# Allegro board pc065c_fibv2_toplevel_28.brd (continued)
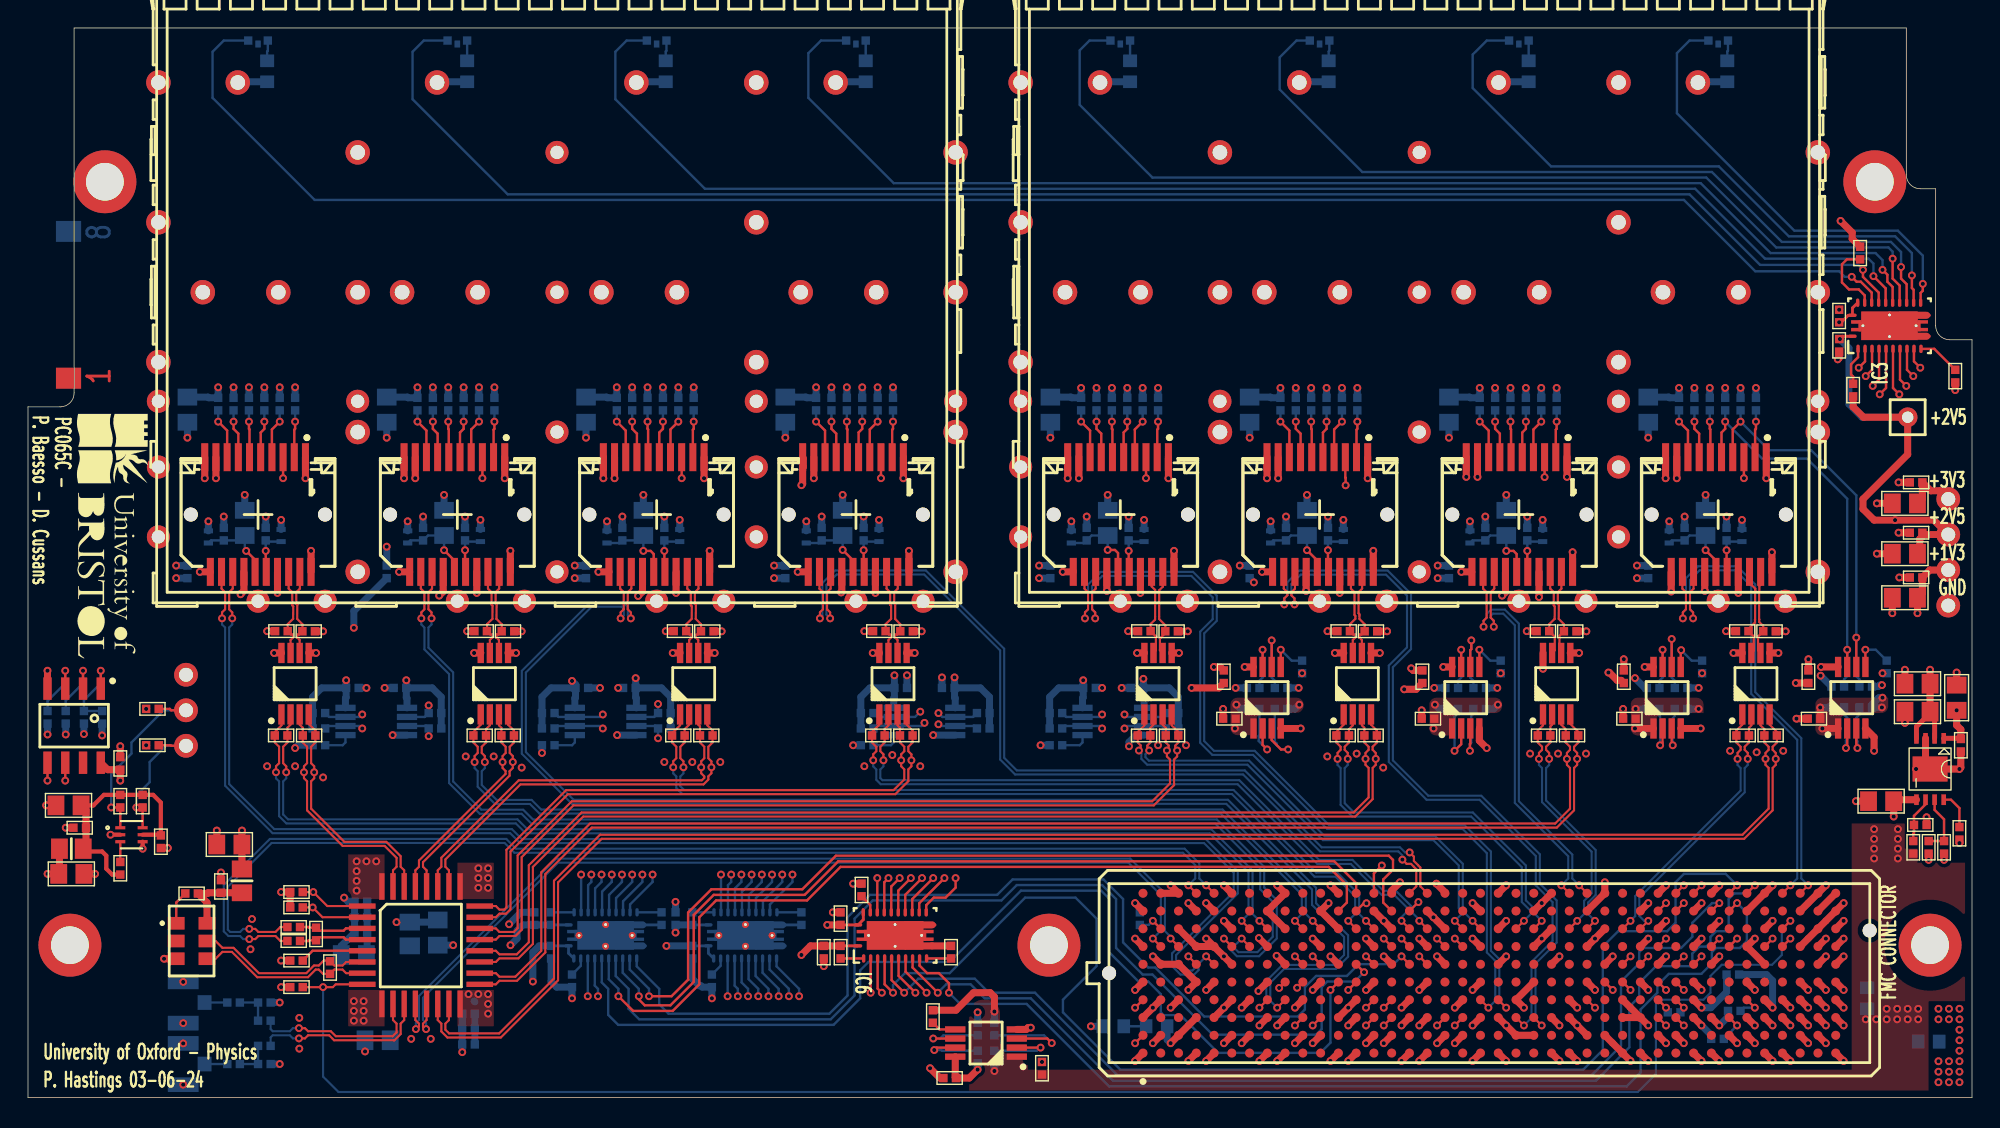
[diagram p0: board, top side]
## Placement (name value [footprint] x y rotation side) (continued)
U7  -  [SOP65P490X110-8N]  123.55 29.6 90 top
U8  -  [SOP65P490X110-8N]  109.3 29.6 90 top
U9  -  [SOP65P490X110-8N]  95.05 29.6 90 top
U10  -  [SOP65P490X110-8N]  80.8 29.6 90 top
U11  -  [MSOP-THERM]  136 23.5 270 top

## Library data of the parts
C1 C20-C27 C31 C33 C35 C36 C38 C112 = CAPCERSMDCL2: part number: CAPCERSMDCL2_0402-100NF_X7R,16V; tolerance: 10%
C2 C32 C34 C37 C39 = CAPCERSMDCL2: part number: CAPCERSMDCL2_0805-10UF,10V_GEN; tolerance: 10%
C3 C4 C6 C12 C17 = CAPCERSMDCL2: part number: CAPCERSMDCL2_0805-10UF,10V_GEN; tolerance: 10%; room: CLOCK_MODULE
C5 C7 C9-C11 C13-C16 C18 C29 C30 C121 = CAPCERSMDCL2: part number: CAPCERSMDCL2_0402-100NF_X7R,16V; tolerance: 10%; room: CLOCK_MODULE
C8 = CAPCERSMDCL2: part number: CAPCERSMDCL2_0805-22UF,6.3V; tolerance: 15%; room: CLOCK_MODULE
C19 C101 C119 = CAPCERSMDCL2: part number: CAPCERSMDCL2_0402-100NF_X7R,16V; tolerance: 10%; room: P1V3_REG
C40 C42 C44 = CAPCERSMDCL2: part number: CAPCERSMDCL2_0402-100NF_X7R,16V; tolerance: 10%; room: SFP_1
C41 C43 = CAPCERSMDCL2: part number: CAPCERSMDCL2_0805-10UF,10V_GEN; tolerance: 10%; room: SFP_1
C45 C47 C49 = CAPCERSMDCL2: part number: CAPCERSMDCL2_0402-100NF_X7R,16V; tolerance: 10%; room: SFP_2
C46 C48 = CAPCERSMDCL2: part number: CAPCERSMDCL2_0805-10UF,10V_GEN; tolerance: 10%; room: SFP_2
C50 C52 C54 = CAPCERSMDCL2: part number: CAPCERSMDCL2_0402-100NF_X7R,16V; tolerance: 10%; room: SFP_3
C51 C53 = CAPCERSMDCL2: part number: CAPCERSMDCL2_0805-10UF,10V_GEN; tolerance: 10%; room: SFP_3
C59 C61 C63 = CAPCERSMDCL2: part number: CAPCERSMDCL2_0402-100NF_X7R,16V; tolerance: 10%; room: SFP_7
C60 C62 = CAPCERSMDCL2: part number: CAPCERSMDCL2_0805-10UF,10V_GEN; tolerance: 10%; room: SFP_7
C64 C66 C68 = CAPCERSMDCL2: part number: CAPCERSMDCL2_0402-100NF_X7R,16V; tolerance: 10%; room: SFP_6
C65 C67 = CAPCERSMDCL2: part number: CAPCERSMDCL2_0805-10UF,10V_GEN; tolerance: 10%; room: SFP_6
C69 C71 C73 = CAPCERSMDCL2: part number: CAPCERSMDCL2_0402-100NF_X7R,16V; tolerance: 10%; room: SFP_5
C70 C72 = CAPCERSMDCL2: part number: CAPCERSMDCL2_0805-10UF,10V_GEN; tolerance: 10%; room: SFP_5
C74 C76 C78 = CAPCERSMDCL2: part number: CAPCERSMDCL2_0402-100NF_X7R,16V; tolerance: 10%; room: SFP_4
C75 C77 = CAPCERSMDCL2: part number: CAPCERSMDCL2_0805-10UF,10V_GEN; tolerance: 10%; room: SFP_4
C79 C80 = CAPCERSMDCL2: part number: CAPCERSMDCL2_0402-100NF_X7R,16V; tolerance: 10%; room: I2C_TR_GEN
C81 C82 = CAPCERSMDCL2: part number: CAPCERSMDCL2_0402-100NF_X7R,16V; tolerance: 10%; room: I2C_TR_1
C83 C84 = CAPCERSMDCL2: part number: CAPCERSMDCL2_0402-100NF_X7R,16V; tolerance: 10%; room: I2C_TR_2
C85 C86 = CAPCERSMDCL2: part number: CAPCERSMDCL2_0402-100NF_X7R,16V; tolerance: 10%; room: I2C_TR_3
C87 C88 = CAPCERSMDCL2: part number: CAPCERSMDCL2_0402-100NF_X7R,16V; tolerance: 10%; room: I2C_TR_4
C89 C90 = CAPCERSMDCL2: part number: CAPCERSMDCL2_0402-100NF_X7R,16V; tolerance: 10%; room: I2C_TR_5
C91 C92 = CAPCERSMDCL2: part number: CAPCERSMDCL2_0402-100NF_X7R,16V; tolerance: 10%; room: I2C_TR_6
C93 C94 = CAPCERSMDCL2: part number: CAPCERSMDCL2_0402-100NF_X7R,16V; tolerance: 10%; room: I2C_TR_7
C95 C96 = CAPCERSMDCL2: part number: CAPCERSMDCL2_0402-100NF_X7R,16V; tolerance: 10%; room: I2C_TR_8
C99 C100 C118 = CAPCERSMDCL2: part number: CAPCERSMDCL2_0805-10UF,10V_GEN; tolerance: 10%; room: P1V3_REG
C120 = CAPCERSMDCL2: part number: CAPCERSMDCL2_0805-4.7UF,10V; tolerance: +80%-20%
DS1-DS8 = WURTH_155060YS73200
F1 F2 = SF-0603S300-2
IC1 = 24AA025E48: part number: 24AA025E48T-I/SN
IC2 = TMP1075NDRLR: Tolerance: TOL; part number: TMP1075NDRLR-TEXAS INSTRUMENTS,TMP1075NDRLR
IC3-IC6 = SN74AXC8T245RHLR: Tolerance: TOL; User Part Number: PN
IC11 = TCA9803: part number: TCA9803DGKR; room: I2C_TR_GEN
IC12 = TCA9803: part number: TCA9803DGKR; room: I2C_TR_1
IC14 = TCA9803: part number: TCA9803DGKR; room: I2C_TR_2
IC15 = TCA9803: part number: TCA9803DGKR; room: I2C_TR_3
IC16 = TCA9803: part number: TCA9803DGKR; room: I2C_TR_4
IC17 = TCA9803: part number: TCA9803DGKR; room: I2C_TR_5
IC18 = TCA9803: part number: TCA9803DGKR; room: I2C_TR_6
IC19 = TCA9803: part number: TCA9803DGKR; room: I2C_TR_7
IC20 = TCA9803: part number: TCA9803DGKR; room: I2C_TR_8
J1 = CON3P: part number: CON3P-MTLW-103-07-L-S-250
J2 = CON400P_40ABCDEFGHJK_VITA571: part number: CON400P_40ABCDEFGHJK_VITA571-ASP-134488-01
J7 = CON20P_SFP: part number: CON20P_SFP-1888247-1
J12 = CON20P_SFP: part number: CON20P_SFP-1888247-1; room: SFP_1
J16 = CON20P_SFP: part number: CON20P_SFP-1888247-1; room: SFP_2
J20 = CON20P_SFP: part number: CON20P_SFP-1888247-1; room: SFP_3
J24 = CON20P_SFP: part number: CON20P_SFP-1888247-1; room: SFP_7
J28 = CON20P_SFP: part number: CON20P_SFP-1888247-1; room: SFP_6
J32 = CON20P_SFP: part number: CON20P_SFP-1888247-1; room: SFP_5
J36 = CON20P_SFP: part number: CON20P_SFP-1888247-1; room: SFP_4
J40 = CON4P: part number: CON4P-MTLW-104-07-L-S-250
L1-L3 = INDUCTANCE: part number: INDUCTANCE_0805-0.10UH; tolerance: 20%; room: CLOCK_MODULE
L4 L5 = INDUCTANCE: part number: INDUCTANCE_0402HP-4.7NH_2%; tolerance: 2%
L6 L7 = INDUCTANCE: part number: INDUCTANCE_0402HP-4.7NH_2%; tolerance: 2%; room: SFP_1
L8 L9 = INDUCTANCE: part number: INDUCTANCE_0402HP-4.7NH_2%; tolerance: 2%; room: SFP_2
L10 L11 = INDUCTANCE: part number: INDUCTANCE_0402HP-4.7NH_2%; tolerance: 2%; room: SFP_3
L12 L13 = INDUCTANCE: part number: INDUCTANCE_0402HP-4.7NH_2%; tolerance: 2%; room: SFP_7
L14 L15 = INDUCTANCE: part number: INDUCTANCE_0402HP-4.7NH_2%; tolerance: 2%; room: SFP_6
L16 L17 = INDUCTANCE: part number: INDUCTANCE_0402HP-4.7NH_2%; tolerance: 2%; room: SFP_5
L18 L19 = INDUCTANCE: part number: INDUCTANCE_0402HP-4.7NH_2%; tolerance: 2%; room: SFP_4
PX3 PX4 = PCOAX: part number: PCOAX-U.FL-R-SMT-1(10)
QZ1 = SIT5022: part number: SIT5022AI-2CE-33N-250.000000
R1 R186-R200 = RSMD0402: part number: RSMD0402_1/16W-100,1%; tolerance: 1%; room: CDR
R2 R4 = RSMD0402: part number: RSMD0402_1/16W-100,1%; tolerance: 1%; room: CLOCK_MODULE
R3 R5-R7 R9 = RSMD0402: part number: RSMD0402_1/16W-4.7K,1%; tolerance: 1%; room: CLOCK_MODULE
R8 R10 R15 R21 R62 R93 R94 R201 = RSMD0402: part number: RSMD0402_0.0625W-XX,1%; tolerance: 1%
R11 R24-R29 R31 R32 R66-R75 = RSMD0402: part number: RSMD0402_1/16W-4.7K,1%; tolerance: 1%
R12 R17 = RSMD0402: part number: RSMD0402_1/16W-49.9,1%; tolerance: 1%
R13 = RSMD0603: part number: RSMD0603_1/10W-10K,1%; tolerance: 1%
R14 = RSMD0603: part number: RSMD0603_1/10W-XX,1%; tolerance: 1%
R16 R20 R65 R202-R204 = RSMD0402: part number: RSMD0402_1/16W-0R0,1%; tolerance: 1%
R18 R19 = RSMD0402: part number: RSMD0402_1/16W-499,1%; tolerance: 1%
R22 R23 = RSMD0402: part number: RSMD0402_1/16W-51,1%; tolerance: 1%
R30 R33 R58-R61 R63 R64 = RSMD0603: part number: RSMD0603_1/16W-270,1%; tolerance: 1%
R34 R35 = RSMD0402: part number: RSMD0402_1/16W-51,1%; tolerance: 1%; room: SFP_1
R36-R41 = RSMD0402: part number: RSMD0402_1/16W-4.7K,1%; tolerance: 1%; room: SFP_1
R42 R43 = RSMD0402: part number: RSMD0402_1/16W-51,1%; tolerance: 1%; room: SFP_2
R44-R49 = RSMD0402: part number: RSMD0402_1/16W-4.7K,1%; tolerance: 1%; room: SFP_2
R50 R51 = RSMD0402: part number: RSMD0402_1/16W-51,1%; tolerance: 1%; room: SFP_3
R52-R57 = RSMD0402: part number: RSMD0402_1/16W-4.7K,1%; tolerance: 1%; room: SFP_3
R99 R100 = RSMD0402: part number: RSMD0402_1/16W-51,1%; tolerance: 1%; room: SFP_7
R101-R106 = RSMD0402: part number: RSMD0402_1/16W-4.7K,1%; tolerance: 1%; room: SFP_7
R107 R108 = RSMD0402: part number: RSMD0402_1/16W-51,1%; tolerance: 1%; room: SFP_6
R109-R114 = RSMD0402: part number: RSMD0402_1/16W-4.7K,1%; tolerance: 1%; room: SFP_6
R115 R116 = RSMD0402: part number: RSMD0402_1/16W-51,1%; tolerance: 1%; room: SFP_5
R117-R122 = RSMD0402: part number: RSMD0402_1/16W-4.7K,1%; tolerance: 1%; room: SFP_5
R123 R124 = RSMD0402: part number: RSMD0402_1/16W-51,1%; tolerance: 1%; room: SFP_4
R125-R130 = RSMD0402: part number: RSMD0402_1/16W-4.7K,1%; tolerance: 1%; room: SFP_4
R131 R132 R134 R135 = RSMD0402: part number: RSMD0402_1/16W-4.7K,1%; tolerance: 1%; room: I2C_TR_GEN
R133 = RSMD0402: part number: RSMD0402_1/16W-0R0,1%; tolerance: 1%; room: I2C_TR_GEN
R136 R137 R139 R140 = RSMD0402: part number: RSMD0402_1/16W-4.7K,1%; tolerance: 1%; room: I2C_TR_1
R138 = RSMD0402: part number: RSMD0402_1/16W-0R0,1%; tolerance: 1%; room: I2C_TR_1
R141 R142 R144 R145 = RSMD0402: part number: RSMD0402_1/16W-4.7K,1%; tolerance: 1%; room: I2C_TR_2
R143 = RSMD0402: part number: RSMD0402_1/16W-0R0,1%; tolerance: 1%; room: I2C_TR_2
R146 R147 R149 R150 = RSMD0402: part number: RSMD0402_1/16W-4.7K,1%; tolerance: 1%; room: I2C_TR_3
R148 = RSMD0402: part number: RSMD0402_1/16W-0R0,1%; tolerance: 1%; room: I2C_TR_3
R151 R152 R154 R155 = RSMD0402: part number: RSMD0402_1/16W-4.7K,1%; tolerance: 1%; room: I2C_TR_4
R153 = RSMD0402: part number: RSMD0402_1/16W-0R0,1%; tolerance: 1%; room: I2C_TR_4
R156 R157 R159 R160 = RSMD0402: part number: RSMD0402_1/16W-4.7K,1%; tolerance: 1%; room: I2C_TR_5
R158 = RSMD0402: part number: RSMD0402_1/16W-0R0,1%; tolerance: 1%; room: I2C_TR_5
R161 R162 R164 R165 = RSMD0402: part number: RSMD0402_1/16W-4.7K,1%; tolerance: 1%; room: I2C_TR_6
R163 = RSMD0402: part number: RSMD0402_1/16W-0R0,1%; tolerance: 1%; room: I2C_TR_6
R166 R167 R169 R170 = RSMD0402: part number: RSMD0402_1/16W-4.7K,1%; tolerance: 1%; room: I2C_TR_7
R168 = RSMD0402: part number: RSMD0402_1/16W-0R0,1%; tolerance: 1%; room: I2C_TR_7
R171 R172 R174 R175 = RSMD0402: part number: RSMD0402_1/16W-4.7K,1%; tolerance: 1%; room: I2C_TR_8
R173 = RSMD0402: part number: RSMD0402_1/16W-0R0,1%; tolerance: 1%; room: I2C_TR_8
R182 = RSMD0402: part number: RSMD0402_1/16W-100K,1%; tolerance: 1%; room: P1V3_REG
R183 = RSMD0402: part number: RSMD0402_1/16W-0R0,1%; tolerance: 1%; room: P1V3_REG
SFP1 SFP2 = SFP_CAGE_X4: part number: TYCO_2007132
TP10 = TP: part number: TP_HOLE-0.8MM
U1 = CDCLVD110: part number: CDCLVD110_LQFP-TI
U3 = MAX9381_UMAX
U4 = MAX9381_UMAX: room: SFP_1
U5 = MAX9381_UMAX: room: SFP_2
U6 = MAX9381_UMAX: room: SFP_3
U7 = MAX9381_UMAX: room: SFP_7
U8 = MAX9381_UMAX: room: SFP_6
U9 = MAX9381_UMAX: room: SFP_5
U10 = MAX9381_UMAX: room: SFP_4
U11 = MP20075_REG: room: P1V3_REG

## Footprints (pads in the part's own frame, mm; a bottom-side part is the same pattern mirrored in y, then rotated)
155060YS73200
  rect 0.4x0.5 smd: (0,-0.25)
  rect 0.6x0.6 smd: 1(-0.7,0) 2(0.7,0)
C0402
  rect 0.6x0.6 smd: 1(-0.45,0) 2(0.45,0)
C0603
  rect 0.9x1 smd: 1(-0.75,0) 2(0.75,0)
C0805
  rect 1.2x1.4 smd: 1(-0.9,0) 2(0.9,0)
HIROSE_U-FL-R-SMT-1_10
  rect 1.05x1 smd: 1(0,1.525)
  rect 1.05x2.2 smd: 2(-1.475,0) 3(1.475,0)
INDC2012X105N
  rect 1.2x1.45 smd: 1(-0.85,0) 2(0.85,0)
INDC_0402HP
  rect 0.356x0.66 smd: 1(-0.435,0) 2(0.435,0)
LQFP32_080
  rect 1.905x0.381 smd: 1(-4.2,2.8) 2(-4.2,2) 3(-4.2,1.2) 4(-4.2,0.4) 5(-4.2,-0.4) 6(-4.2,-1.2) 7(-4.2,-2) 8(-4.2,-2.8) 17(4.2,-2.8) 18(4.2,-2) 19(4.2,-1.2) 20(4.2,-0.4) 21(4.2,0.4) 22(4.2,1.2) 23(4.2,2) 24(4.2,2.8)
  rect 0.381x1.905 smd: 9(-2.8,-4.2) 10(-2,-4.2) 11(-1.2,-4.2) 12(-0.4,-4.2) 13(0.4,-4.2) 14(1.2,-4.2) 15(2,-4.2) 16(2.8,-4.2) 25(2.8,4.2) 26(2,4.2) 27(1.2,4.2) 28(0.4,4.2) 29(-0.4,4.2) 30(-1.2,4.2) 31(-2,4.2) 32(-2.8,4.2)
MSOP-THERM
  rect 0.762x0.33 smd: 1(-2.195,0.975) 2(-2.195,0.325) 3(-2.195,-0.325) 4(-2.195,-0.975) 5(2.195,-0.975) 6(2.195,-0.325) 7(2.195,0.325) 8(2.195,0.975)
  rect 1.8x2.5 smd: 9(0,0)
QFN_5032_6PINS
  rect 0.9x1.2 smd: 1(-1.27,-1.1) 2(0,-1.1) 3(1.27,-1.1) 4(1.27,1.1) 5(0,1.1) 6(-1.27,1.1)
RHL0024A
  oval 0.24x0.6 smd: 1(-0.75,2.65) 12(-0.75,-2.65) 13(0.75,-2.65) 24(0.75,2.65)
  oval 0.6x0.24 smd: 2(-1.65,2.25) 3(-1.65,1.75) 4(-1.65,1.25) 5(-1.65,0.75) 6(-1.65,0.25) 7(-1.65,-0.25) 8(-1.65,-0.75) 9(-1.65,-1.25) 10(-1.65,-1.75) 11(-1.65,-2.25) 14(1.65,-2.225) 15(1.65,-1.725) 16(1.65,-1.225) 17(1.65,-0.725) 18(1.65,-0.225) 19(1.65,0.275) 20(1.65,0.775) 21(1.65,1.275) 22(1.65,1.775) 23(1.65,2.275)
  rect 2.05x4.05 smd: 25(0,0)
  round 0.5 hole 0.203: 26(-0.775,0) 27(0.775,0) 28(0,1.9) 29(0,-1.9)
SAMTEC_ASP-134488-01
  round 1.001 hole 1.3 unplated: (-27.19,-3.05) (27.19,0)
  round 0.64 smd: A1(24.765,5.715) A2(23.495,5.715) A3(22.225,5.715) A4(20.955,5.715) A5(19.685,5.715) A6(18.415,5.715) A7(17.145,5.715) A8(15.875,5.715) A9(14.605,5.715) A10(13.335,5.715) A11(12.065,5.715) A12(10.795,5.715) A13(9.525,5.715) A14(8.255,5.715) A15(6.985,5.715) A16(5.715,5.715) A17(4.445,5.715) A18(3.175,5.715) A19(1.905,5.715) A20(0.635,5.715) A21(-0.635,5.715) A22(-1.905,5.715) A23(-3.175,5.715) A24(-4.445,5.715) A25(-5.715,5.715) A26(-6.985,5.715) A27(-8.255,5.715) A28(-9.525,5.715) A29(-10.795,5.715) A30(-12.065,5.715) A31(-13.335,5.715) A32(-14.605,5.715) A33(-15.875,5.715) A34(-17.145,5.715) A35(-18.415,5.715) A36(-19.685,5.715) A37(-20.955,5.715) A38(-22.225,5.715) A39(-23.495,5.715) A40(-24.765,5.715) B1(24.765,4.445) B2(23.495,4.445) B3(22.225,4.445) B4(20.955,4.445) B5(19.685,4.445) B6(18.415,4.445) B7(17.145,4.445) B8(15.875,4.445) B9(14.605,4.445) B10(13.335,4.445) B11(12.065,4.445) B12(10.795,4.445) B13(9.525,4.445) B14(8.255,4.445) B15(6.985,4.445) B16(5.715,4.445) B17(4.445,4.445) B18(3.175,4.445) B19(1.905,4.445) B20(0.635,4.445) B21(-0.635,4.445) B22(-1.905,4.445) B23(-3.175,4.445) B24(-4.445,4.445) B25(-5.715,4.445) B26(-6.985,4.445) B27(-8.255,4.445) B28(-9.525,4.445) B29(-10.795,4.445) B30(-12.065,4.445) B31(-13.335,4.445) B32(-14.605,4.445) B33(-15.875,4.445) B34(-17.145,4.445) B35(-18.415,4.445) B36(-19.685,4.445) B37(-20.955,4.445) B38(-22.225,4.445) B39(-23.495,4.445) B40(-24.765,4.445) C1(24.765,3.175) C2(23.495,3.175) C3(22.225,3.175) C4(20.955,3.175) C5(19.685,3.175) C6(18.415,3.175) C7(17.145,3.175) C8(15.875,3.175) C9(14.605,3.175) C10(13.335,3.175) C11(12.065,3.175) C12(10.795,3.175) C13(9.525,3.175) C14(8.255,3.175) C15(6.985,3.175) C16(5.715,3.175) C17(4.445,3.175) C18(3.175,3.175) C19(1.905,3.175) C20(0.635,3.175) C21(-0.635,3.175) C22(-1.905,3.175) C23(-3.175,3.175) C24(-4.445,3.175) C25(-5.715,3.175) C26(-6.985,3.175) C27(-8.255,3.175) C28(-9.525,3.175) C29(-10.795,3.175) C30(-12.065,3.175) C31(-13.335,3.175) C32(-14.605,3.175) C33(-15.875,3.175) C34(-17.145,3.175) C35(-18.415,3.175) C36(-19.685,3.175) C37(-20.955,3.175) C38(-22.225,3.175) C39(-23.495,3.175) C40(-24.765,3.175) D1(24.765,1.905) D2(23.495,1.905) D3(22.225,1.905) D4(20.955,1.905) D5(19.685,1.905) D6(18.415,1.905) D7(17.145,1.905) D8(15.875,1.905) D9(14.605,1.905) D10(13.335,1.905) D11(12.065,1.905) D12(10.795,1.905) D13(9.525,1.905) D14(8.255,1.905) D15(6.985,1.905) D16(5.715,1.905) D17(4.445,1.905) D18(3.175,1.905) D19(1.905,1.905) D20(0.635,1.905) D21(-0.635,1.905) D22(-1.905,1.905) D23(-3.175,1.905) D24(-4.445,1.905) D25(-5.715,1.905) D26(-6.985,1.905) D27(-8.255,1.905) D28(-9.525,1.905) D29(-10.795,1.905) D30(-12.065,1.905) D31(-13.335,1.905) D32(-14.605,1.905) D33(-15.875,1.905) D34(-17.145,1.905) D35(-18.415,1.905) D36(-19.685,1.905) D37(-20.955,1.905) D38(-22.225,1.905) D39(-23.495,1.905) D40(-24.765,1.905) E1(24.765,0.635) E2(23.495,0.635) E3(22.225,0.635) E4(20.955,0.635) E5(19.685,0.635) E6(18.415,0.635) E7(17.145,0.635) E8(15.875,0.635) E9(14.605,0.635) E10(13.335,0.635) E11(12.065,0.635) E12(10.795,0.635) E13(9.525,0.635) E14(8.255,0.635) E15(6.985,0.635) E16(5.715,0.635) E17(4.445,0.635) E18(3.175,0.635) E19(1.905,0.635) E20(0.635,0.635) E21(-0.635,0.635) E22(-1.905,0.635) E23(-3.175,0.635) E24(-4.445,0.635) E25(-5.715,0.635) E26(-6.985,0.635) E27(-8.255,0.635) E28(-9.525,0.635) E29(-10.795,0.635) E30(-12.065,0.635) E31(-13.335,0.635) E32(-14.605,0.635) E33(-15.875,0.635) E34(-17.145,0.635) E35(-18.415,0.635) E36(-19.685,0.635) E37(-20.955,0.635) E38(-22.225,0.635) E39(-23.495,0.635) E40(-24.765,0.635) F1(24.765,-0.635) F2(23.495,-0.635) F3(22.225,-0.635) F4(20.955,-0.635) F5(19.685,-0.635) F6(18.415,-0.635) F7(17.145,-0.635) F8(15.875,-0.635) F9(14.605,-0.635) F10(13.335,-0.635) F11(12.065,-0.635) F12(10.795,-0.635) F13(9.525,-0.635) F14(8.255,-0.635) F15(6.985,-0.635) F16(5.715,-0.635) F17(4.445,-0.635) F18(3.175,-0.635) F19(1.905,-0.635) F20(0.635,-0.635) F21(-0.635,-0.635) F22(-1.905,-0.635) F23(-3.175,-0.635) F24(-4.445,-0.635) F25(-5.715,-0.635) F26(-6.985,-0.635) F27(-8.255,-0.635) F28(-9.525,-0.635) F29(-10.795,-0.635) F30(-12.065,-0.635) F31(-13.335,-0.635) F32(-14.605,-0.635) F33(-15.875,-0.635) F34(-17.145,-0.635) F35(-18.415,-0.635) F36(-19.685,-0.635) F37(-20.955,-0.635) F38(-22.225,-0.635) F39(-23.495,-0.635) F40(-24.765,-0.635) G1(24.765,-1.905) G2(23.495,-1.905) G3(22.225,-1.905) G4(20.955,-1.905) G5(19.685,-1.905) G6(18.415,-1.905) G7(17.145,-1.905) G8(15.875,-1.905) G9(14.605,-1.905) G10(13.335,-1.905) G11(12.065,-1.905) G12(10.795,-1.905) G13(9.525,-1.905) G14(8.255,-1.905) G15(6.985,-1.905) G16(5.715,-1.905) G17(4.445,-1.905) G18(3.175,-1.905) G19(1.905,-1.905) G20(0.635,-1.905) G21(-0.635,-1.905) G22(-1.905,-1.905) G23(-3.175,-1.905) G24(-4.445,-1.905) G25(-5.715,-1.905) G26(-6.985,-1.905) G27(-8.255,-1.905) G28(-9.525,-1.905) G29(-10.795,-1.905) G30(-12.065,-1.905) G31(-13.335,-1.905) G32(-14.605,-1.905) G33(-15.875,-1.905) G34(-17.145,-1.905) G35(-18.415,-1.905) G36(-19.685,-1.905) G37(-20.955,-1.905) G38(-22.225,-1.905) G39(-23.495,-1.905) G40(-24.765,-1.905) H1(24.765,-3.175) H2(23.495,-3.175) H3(22.225,-3.175) H4(20.955,-3.175) H5(19.685,-3.175) H6(18.415,-3.175) H7(17.145,-3.175) H8(15.875,-3.175) H9(14.605,-3.175) H10(13.335,-3.175) H11(12.065,-3.175) H12(10.795,-3.175) H13(9.525,-3.175) H14(8.255,-3.175) H15(6.985,-3.175) H16(5.715,-3.175) H17(4.445,-3.175) H18(3.175,-3.175) H19(1.905,-3.175) H20(0.635,-3.175) H21(-0.635,-3.175) H22(-1.905,-3.175) H23(-3.175,-3.175) H24(-4.445,-3.175) H25(-5.715,-3.175) H26(-6.985,-3.175) H27(-8.255,-3.175) H28(-9.525,-3.175) H29(-10.795,-3.175) H30(-12.065,-3.175) H31(-13.335,-3.175) H32(-14.605,-3.175) H33(-15.875,-3.175) H34(-17.145,-3.175) H35(-18.415,-3.175) H36(-19.685,-3.175) H37(-20.955,-3.175) H38(-22.225,-3.175) H39(-23.495,-3.175) H40(-24.765,-3.175) J1(24.765,-4.445) J2(23.495,-4.445) J3(22.225,-4.445) J4(20.955,-4.445) J5(19.685,-4.445) J6(18.415,-4.445) J7(17.145,-4.445) J8(15.875,-4.445) J9(14.605,-4.445) J10(13.335,-4.445) J11(12.065,-4.445) J12(10.795,-4.445) J13(9.525,-4.445) J14(8.255,-4.445) J15(6.985,-4.445) J16(5.715,-4.445) J17(4.445,-4.445) J18(3.175,-4.445) J19(1.905,-4.445) J20(0.635,-4.445) J21(-0.635,-4.445) J22(-1.905,-4.445) J23(-3.175,-4.445) J24(-4.445,-4.445) J25(-5.715,-4.445) J26(-6.985,-4.445) J27(-8.255,-4.445) J28(-9.525,-4.445) J29(-10.795,-4.445) J30(-12.065,-4.445) J31(-13.335,-4.445) J32(-14.605,-4.445) J33(-15.875,-4.445) J34(-17.145,-4.445) J35(-18.415,-4.445) J36(-19.685,-4.445) J37(-20.955,-4.445) J38(-22.225,-4.445) J39(-23.495,-4.445) J40(-24.765,-4.445) K1(24.765,-5.715) K2(23.495,-5.715) K3(22.225,-5.715) K4(20.955,-5.715) K5(19.685,-5.715) K6(18.415,-5.715) K7(17.145,-5.715) K8(15.875,-5.715) K9(14.605,-5.715) K10(13.335,-5.715) K11(12.065,-5.715) K12(10.795,-5.715) K13(9.525,-5.715) K14(8.255,-5.715) K15(6.985,-5.715) K16(5.715,-5.715) K17(4.445,-5.715) K18(3.175,-5.715) K19(1.905,-5.715) K20(0.635,-5.715) K21(-0.635,-5.715) K22(-1.905,-5.715) K23(-3.175,-5.715) K24(-4.445,-5.715) K25(-5.715,-5.715) K26(-6.985,-5.715) K27(-8.255,-5.715) K28(-9.525,-5.715) K29(-10.795,-5.715) K30(-12.065,-5.715) K31(-13.335,-5.715) K32(-14.605,-5.715) K33(-15.875,-5.715) K34(-17.145,-5.715) K35(-18.415,-5.715) K36(-19.685,-5.715) K37(-20.955,-5.715) K38(-22.225,-5.715) K39(-23.495,-5.715) K40(-24.765,-5.715)
SAMTEC_MTLW-103-07-L-S-250
  round 1.7 hole 1: 1(-2.54,0) 2(0,0) 3(2.54,0)
SAMTEC_MTLW-104-07-L-S-250
  round 1.7 hole 1: 1(-3.81,0) 2(-1.27,0) 3(1.27,0) 4(3.81,0)
SOIC127P600X175-8N
  rect 1.6x0.6 smd: 1(-2.65,1.905) 2(-2.65,0.635) 3(-2.65,-0.635) 4(-2.65,-1.905) 5(2.65,-1.905) 6(2.65,-0.635) 7(2.65,0.635) 8(2.65,1.905)
SOP65P490X110-8N
  rect 1.45x0.45 smd: 1(-2.2,0.975) 2(-2.2,0.325) 3(-2.2,-0.325) 4(-2.2,-0.975) 5(2.2,-0.975) 6(2.2,-0.325) 7(2.2,0.325) 8(2.2,0.975)
SOT_DRL_TEX
  rect 0.711x0.229 smd: 1(-0.8,0.5) 2(-0.8,0) 3(-0.8,-0.5) 4(0.8,-0.5) 5(0.8,0) 6(0.8,0.5)
TP_HOLE_08
  round 1.397 hole 0.813: 1(0,0)
TYCO_1888247-1
  round 1 hole 1.55 unplated: (0,4.8) (0,-4.8)
  rect 2x0.5 smd: 1(-4.1,3.4) 2(-4.1,2.6) 3(-4.1,1.8) 4(-4.1,1) 5(-4.1,0.2) 6(-4.1,-0.6) 7(-4.1,-1.4) 8(-4.1,-2.2) 9(-4.1,-3) 10(-4.1,-3.8) 11(4.1,-3.4) 12(4.1,-2.6) 13(4.1,-1.8) 14(4.1,-1) 15(4.1,-0.2) 16(4.1,0.6) 17(4.1,1.4) 18(4.1,2.2) 19(4.1,3) 20(4.1,3.8)
TYCO_2007132
  round 1.75 hole 1.05: 1(-30.9,-49.875) 2(-30.9,-44.2) 3(-30.9,-29.95) 4(-30.9,-15.7) 5(-30.9,-7.125) 6(-30.9,-1.45) 7(-25.9,-35.625) 9(-25.9,7.125) 10(-20.9,-49.875) 11(-20.9,-7.125) 12(-15.9,-46.7) 13(-15.9,-41.3) 14(-15.9,-35.625) 15(-15.9,-32.45) 16(-15.9,-27.05) 18(-15.9,-18.2) 19(-15.9,-12.8) 20(-15.9,-3.95) 21(-15.9,1.45) 22(-15.9,7.125) 24(-10.9,-49.875) 27(-10.9,-7.125) 30(-5.9,-35.625) 33(-5.9,7.125) 38(4.1,-35.625) 46(4.1,7.125)
  round 1.65 hole 0.95: 8(-25.9,-21.375) 17(-15.9,-21.375) 23(-8.1,-49.875) 25(-8.1,-35.625) 26(-8.1,-7.125) 28(-8.1,7.125) 29(-3.4,-49.875) 31(-5.9,-21.375) 32(-3.4,-7.125) 34(1.6,-49.875) 35(1.6,-7.125) 36(6.2,-42.75) 37(6.2,-37.95) 39(6.2,-28.5) 40(4.1,-21.375) 41(6.2,-23.7) 42(6.2,-14.25) 43(6.2,-9.45) 44(6.2,0) 45(6.2,4.8)
  round 0 smd: NC(-17.517,-21.25)
unnamed
  round 4.5 hole 2.7: 1(0,0)

## Nets
GND: C1.1 C2.1 C3.1 C4.1 C5.1 C6.1 C7.1 C8.1 C9.1 C10.1 C11.1 C12.1 C13.1 C14.1 C15.1 C17.1 C19.1 C20.1 C21.2(B<0>) C22.1 C23.2(B<0>) C24.1 C25.2(B<0>) C26.1 C27.2(B<0>) C29.2(B<0>) C31.1 C32.1 C33.1 C34.1 C35.1 C36.1 C37.1 C38.1 C39.1 C40.1 C41.1 C42.1 C43.1 C44.1 C45.1 C46.1 C47.1 C48.1 C49.1 C50.1 C51.1 C52.1 C53.1 C54.1 C59.1 C60.1 C61.1 C62.1 C63.1 C64.1 C65.1 C66.1 C67.1 C68.1 C69.1 C70.1 C71.1 C72.1 C73.1 C74.1 C75.1 C76.1 C77.1 C78.1 C79.1 C80.1 C81.1 C82.1 C83.1 C84.1 C85.1 C86.1 C87.1 C88.1 C89.1 C90.1 C91.1 C92.1 C93.1 C94.1 C95.1 C96.1 C99.1 C100.1 C101.1 C112.2(B<0>) C118.2(B<0>) C119.2(B<0>) C120.1 IC1.4(VSS) IC2.2 IC2.4 IC3.12 IC3.13 IC3.25 IC3.26 IC3.27 IC3.28 IC3.29 IC4.12 IC4.13 IC4.25 IC4.26 IC4.27 IC4.28 IC4.29 IC5.12 IC5.13 IC5.25 IC5.26 IC5.27 IC5.28 IC5.29 IC6.12 IC6.13 IC6.25 IC6.26 IC6.27 IC6.28 IC6.29 IC11.4 IC12.4 IC14.4 IC15.4 IC16.4 IC17.4 IC18.4 IC19.4 IC20.4 J1.1 J2.A1 J2.A4 J2.A5 J2.A8 J2.A9 J2.A12 J2.A13 J2.A16 J2.A17 J2.A20 J2.A21 J2.A24 J2.A25 J2.A28 J2.A29 J2.A32 J2.A33 J2.A36 J2.A37 J2.A40 J2.B2 J2.B3 J2.B6 J2.B7 J2.B10 J2.B11 J2.B14 J2.B15 J2.B18 J2.B19 J2.B22 J2.B23 J2.B26 J2.B27 J2.B30 J2.B31 J2.B34 J2.B35 J2.B38 J2.B39 J2.C1 J2.C4 J2.C5 J2.C8 J2.C9 J2.C12 J2.C13 J2.C16 J2.C17 J2.C20 J2.C21 J2.C24 J2.C25 J2.C28 J2.C29 J2.C32 J2.C33 J2.C36 J2.C38 J2.C40 J2.D2 J2.D3 J2.D6 J2.D7 J2.D10 J2.D13 J2.D16 J2.D19 J2.D22 J2.D25 J2.D28 J2.D37 J2.D39 J2.E1 J2.E4 J2.E5 J2.E8 J2.E11 J2.E14 J2.E17 J2.E20 J2.E23 J2.E26 J2.E29 J2.E32 J2.E35 J2.E38 J2.E40 J2.F2 J2.F3 J2.F6 J2.F9 J2.F12 J2.F15 J2.F18 J2.F21 J2.F24 J2.F27 J2.F30 J2.F33 J2.F36 J2.F39 J2.G1 J2.G4 J2.G5 J2.G8 J2.G11 J2.G14 J2.G17 J2.G20 J2.G23 J2.G26 J2.G29 J2.G32 J2.G35 J2.G38 J2.G40 J2.H3 J2.H6 J2.H9 J2.H12 J2.H15 J2.H18 J2.H21 J2.H24 J2.H27 J2.H30 J2.H33 J2.H36 J2.H39 J2.J1 J2.J4 J2.J5 J2.J8 J2.J11 J2.J14 J2.J17 J2.J20 J2.J23 J2.J26 J2.J29 J2.J32 J2.J35 J2.J38 J2.J40 J2.K2 J2.K3 J2.K6 J2.K9(K<9>) J2.K12 J2.K15 J2.K18 J2.K21 J2.K24 J2.K27 J2.K30 J2.K33 J2.K36 J2.K39 J7.1 J7.9 J7.10 J7.11 J7.14 J7.17 J7.20(VEET3) J12.1 J12.9 J12.10 J12.11 J12.14 J12.17 J12.20(VEET3) J16.1 J16.9 J16.10 J16.11 J16.14 J16.17 J16.20(VEET3) J20.1 J20.9 J20.10 J20.11 J20.14 J20.17 J20.20(VEET3) J24.1 J24.9 J24.10 J24.11 J24.14 J24.17 J24.20(VEET3) J28.1 J28.9 J28.10 J28.11 J28.14 J28.17 J28.20(VEET3) J32.1 J32.9 J32.10 J32.11 J32.14 J32.17 J32.20(VEET3) J36.1 J36.9 J36.10 J36.11 J36.14 J36.17 J36.20(VEET3) J40.1 PX3.2 PX3.3 PX4.2 PX4.3 QZ1.3 R5.1 R6.1 R7.1 R9.2(B<0>) R12.1 R14.1 R15.1 R16.1 R17.1 R20.1 R30.2(B<0>) R32.1 R33.2(B<0>) R58.2(B<0>) R59.2(B<0>) R60.2(B<0>) R61.2(B<0>) R63.2(B<0>) R64.2(B<0>) R67.1 R68.1 R69.1 R71.1 R72.1 R74.1 R75.1 R202.2(B<0>) R203.2(B<0>) R204.2(B<0>) SFP1.1 SFP1.2 SFP1.3 SFP1.4 SFP1.5 SFP1.6 SFP1.7 SFP1.8 SFP1.9 SFP1.10 SFP1.11 SFP1.12 SFP1.13 SFP1.14 SFP1.15 SFP1.16 SFP1.17 SFP1.18 SFP1.19 SFP1.20 SFP1.21 SFP1.22 SFP1.23 SFP1.24 SFP1.25 SFP1.26 SFP1.27 SFP1.28 SFP1.29 SFP1.30 SFP1.31 SFP1.32 SFP1.33 SFP1.34 SFP1.35 SFP1.36 SFP1.37 SFP1.38 SFP1.39 SFP1.40 SFP1.41 SFP1.42 SFP1.43 SFP1.44 SFP1.45 SFP1.46 SFP2.1 SFP2.2 SFP2.3 SFP2.4 SFP2.5 SFP2.6 SFP2.7 SFP2.8 SFP2.9 SFP2.10 SFP2.11 SFP2.12 SFP2.13 SFP2.14 SFP2.15 SFP2.16 SFP2.17 SFP2.18 SFP2.19 SFP2.20 SFP2.21 SFP2.22 SFP2.23 SFP2.24 SFP2.25 SFP2.26 SFP2.27 SFP2.28 SFP2.29 SFP2.30 SFP2.31 SFP2.32 SFP2.33 SFP2.34 SFP2.35 SFP2.36 SFP2.37 SFP2.38 SFP2.39 SFP2.40 SFP2.41 SFP2.42 SFP2.43 SFP2.44 SFP2.45 SFP2.46 U1.9 U1.25(VSS1) U3.5 U4.5 U5.5 U6.5 U7.5 U8.5 U9.5 U10.5 U11.3 U11.9
P1V3: C36.2(B<0>) C37.2(B<0>) C99.2(B<0>) C100.2(B<0>) J40.2 R22.2(B<0>) R23.2(B<0>) R34.2(B<0>) R35.2(B<0>) R42.2(B<0>) R43.2(B<0>) R50.2(B<0>) R51.2(B<0>) R99.2(B<0>) R100.2(B<0>) R107.2(B<0>) R108.2(B<0>) R115.2(B<0>) R116.2(B<0>) R123.2(B<0>) R124.2(B<0>) U11.2 U11.4(VTTSEN)
P2V5: C3.2(B<0>) C20.2(B<0>) C23.1 C25.1 C26.2(B<0>) C38.2(B<0>) C39.2(B<0>) C79.2(B<0>) C81.2(B<0>) C83.2(B<0>) C85.2(B<0>) C87.2(B<0>) C89.2(B<0>) C91.2(B<0>) C93.2(B<0>) C95.2(B<0>) F1.2 IC3.1 IC4.23 IC4.24(VCCB2) IC5.23 IC5.24(VCCB2) IC6.1 IC11.1 IC12.1 IC14.1 IC15.1 IC16.1 IC17.1 IC18.1 IC19.1 IC20.1 J40.3 L2.1 R66.1 R73.1 R131.2(B<0>) R132.2(B<0>) R133.1 R136.2(B<0>) R137.2(B<0>) R138.1 R141.2(B<0>) R142.2(B<0>) R143.1 R146.2(B<0>) R147.2(B<0>) R148.1 R151.2(B<0>) R152.2(B<0>) R153.1 R156.2(B<0>) R157.2(B<0>) R158.1 R161.2(B<0>) R162.2(B<0>) R163.1 R166.2(B<0>) R167.2(B<0>) R168.1 R171.2(B<0>) R172.2(B<0>) R173.1 R183.1 TP10.1(A<0>)
P2V5_FILT: C7.2(B<0>) C9.2(B<0>) C11.2(B<0>) C12.2(B<0>) C13.2(B<0>) C14.2(B<0>) C15.2(B<0>) C17.2(B<0>) L2.2(B<0>) U1.16 U1.32
P3V3: C1.2(B<0>) C2.2(B<0>) C4.2(B<0>) C6.2(B<0>) C21.1 C22.2(B<0>) C24.2(B<0>) C27.1 C31.2(B<0>) C32.2(B<0>) C40.2(B<0>) C41.2(B<0>) C45.2(B<0>) C46.2(B<0>) C50.2(B<0>) C51.2(B<0>) C59.2(B<0>) C60.2(B<0>) C64.2(B<0>) C65.2(B<0>) C69.2(B<0>) C70.2(B<0>) C74.2(B<0>) C75.2(B<0>) C80.2(B<0>) C82.2(B<0>) C84.2(B<0>) C86.2(B<0>) C88.2(B<0>) C90.2(B<0>) C92.2(B<0>) C94.2(B<0>) C96.2(B<0>) C112.1 C118.1 C119.1 C120.2(B<0>) F2.2 IC1.8 IC3.23 IC3.24(VCCB2) IC4.1 IC5.1 IC6.23 IC6.24(VCCB2) IC11.8(VCCB) IC12.8(VCCB) IC14.8(VCCB) IC15.8(VCCB) IC16.8(VCCB) IC17.8(VCCB) IC18.8(VCCB) IC19.8(VCCB) IC20.8(VCCB) J40.4(A<3>) L1.1 L3.1 L4.1 L5.2(B<0>) L6.1 L7.2(B<0>) L8.1 L9.2(B<0>) L10.1 L11.2(B<0>) L12.1 L13.2(B<0>) L14.1 L15.2(B<0>) L16.1 L17.2(B<0>) L18.1 L19.2(B<0>) R13.1 R24.1 R25.1 R26.2(B<0>) R27.2(B<0>) R28.2(B<0>) R29.2(B<0>) R31.1 R36.1 R37.1 R38.2(B<0>) R39.2(B<0>) R40.2(B<0>) R41.2(B<0>) R44.1 R45.1 R46.2(B<0>) R47.2(B<0>) R48.2(B<0>) R49.2(B<0>) R52.1 R53.1 R54.2(B<0>) R55.2(B<0>) R56.2(B<0>) R57.2(B<0>) R70.1 R93.2(B<0>) R94.2(B<0>) R101.1 R102.1 R103.2(B<0>) R104.2(B<0>) R105.2(B<0>) R106.2(B<0>) R109.1 R110.1 R111.2(B<0>) R112.2(B<0>) R113.2(B<0>) R114.2(B<0>) R117.1 R118.1 R119.2(B<0>) R120.2(B<0>) R121.2(B<0>) R122.2(B<0>) R125.1 R126.1 R127.2(B<0>) R128.2(B<0>) R129.2(B<0>) R130.2(B<0>) R134.2(B<0>) R135.2(B<0>) R139.2(B<0>) R140.2(B<0>) R144.2(B<0>) R145.2(B<0>) R149.2(B<0>) R150.2(B<0>) R154.2(B<0>) R155.2(B<0>) R159.2(B<0>) R160.2(B<0>) R164.2(B<0>) R165.2(B<0>) R169.2(B<0>) R170.2(B<0>) R174.2(B<0>) R175.2(B<0>) R182.1 R201.2(B<0>) U3.8 U4.8 U5.8 U6.8 U7.8 U8.8 U9.8 U10.8 U11.1 U11.5
P3V3A: C5.2(B<0>) C8.2(B<0>) C29.1 IC2.5(V+) L1.2(B<0>) R8.2(B<0>) R10.2(B<0>) R11.2(B<0>)
P3V3AUX: J2.D32 R21.1
P3V3C: C10.2(B<0>) L3.2(B<0>) QZ1.6(VDD) R3.1
P12V: J2.C35 J2.C37
250MXTAL_N: QZ1.4 R4.2(B<0>) U1.7
250MXTAL_P: QZ1.5 R4.1 U1.6
CDCLVD110_CK: J2.G30 R6.2(B<0>) U1.1
CDCLVD110_EN: J2.H37 R7.2(B<0>) U1.8
CDCLVD110_SI: J2.D26 R5.2(B<0>) U1.2
CLK_BIDIR_N<1>: J2.J3
CLK_BIDIR_P<1>: J2.J2
CLK_DIR: J2.B1 R13.2(B<0>) R14.2(B<0>)
CLK_IN_N<1>: C18.1 J2.K5
CLK_IN_P<1>: C16.2(B<0>) J2.K4
CLK_M2C_N<0>: J2.H5
CLK_M2C_P<0>: J2.H4
CLK_MAIN_N<0>: R186.2(B<0>) U1.30 U3.4
CLK_MAIN_N<1>: R188.2(B<0>) U1.28 U4.4
CLK_MAIN_N<2>: R190.2(B<0>) U1.26 U5.4
CLK_MAIN_N<3>: R192.2(B<0>) U1.23 U6.4
CLK_MAIN_N<4>: R200.2(B<0>) U1.21 U10.4
CLK_MAIN_N<5>: R198.2(B<0>) U1.19 U9.4
CLK_MAIN_N<6>: R196.2(B<0>) U1.17 U8.4
CLK_MAIN_N<7>: R194.2(B<0>) U1.14 U7.4
CLK_MAIN_N<8>: J2.G3 U1.12
CLK_MAIN_N<9>: C121.1 U1.10
CLK_MAIN_P<0>: R186.1 U1.31 U3.3
CLK_MAIN_P<1>: R188.1 U1.29 U4.3
CLK_MAIN_P<2>: R190.1 U1.27 U5.3
CLK_MAIN_P<3>: R192.1 U1.24 U6.3
CLK_MAIN_P<4>: R200.1 U1.22 U10.3
CLK_MAIN_P<5>: R198.1 U1.20 U9.3
CLK_MAIN_P<6>: R196.1 U1.18 U8.3
CLK_MAIN_P<7>: R194.1 U1.15 U7.3
CLK_MAIN_P<8>: J2.G2 U1.13
CLK_MAIN_P<9>: C30.1 U1.11
CLK_VOLTREFOUT: R9.1 U1.5
DP_C2M_N<0>: J2.C3
DP_C2M_N<1>: J2.A23
DP_C2M_N<2>: J2.A27
DP_C2M_N<3>: J2.A31
DP_C2M_N<4>: J2.A35
DP_C2M_N<5>: J2.A39
DP_C2M_N<6>: J2.B37
DP_C2M_N<7>: J2.B33
DP_C2M_N<8>: J2.B29
DP_C2M_N<9>: J2.B25
DP_C2M_P<0>: J2.C2
DP_C2M_P<1>: J2.A22
DP_C2M_P<2>: J2.A26
DP_C2M_P<3>: J2.A30
DP_C2M_P<4>: J2.A34
DP_C2M_P<5>: J2.A38
DP_C2M_P<6>: J2.B36
DP_C2M_P<7>: J2.B32
DP_C2M_P<8>: J2.B28
DP_C2M_P<9>: J2.B24
DP_M2C_N<0>: J2.C7
DP_M2C_N<1>: J2.A3
DP_M2C_N<2>: J2.A7
DP_M2C_N<3>: J2.A11
DP_M2C_N<4>: J2.A15
DP_M2C_N<5>: J2.A19
